# Altium PCB PCB1.PcbDoc (part 2 of 2)
Units mil, origin at the board's own origin, x right, y up, seen from the top; angles counter-clockwise.
Board outline 6184.85 x 2780 mil, 2 copper layers (Top Layer, Bottom Layer); 128 components, 145 nets, 529 pads, 99 vias.
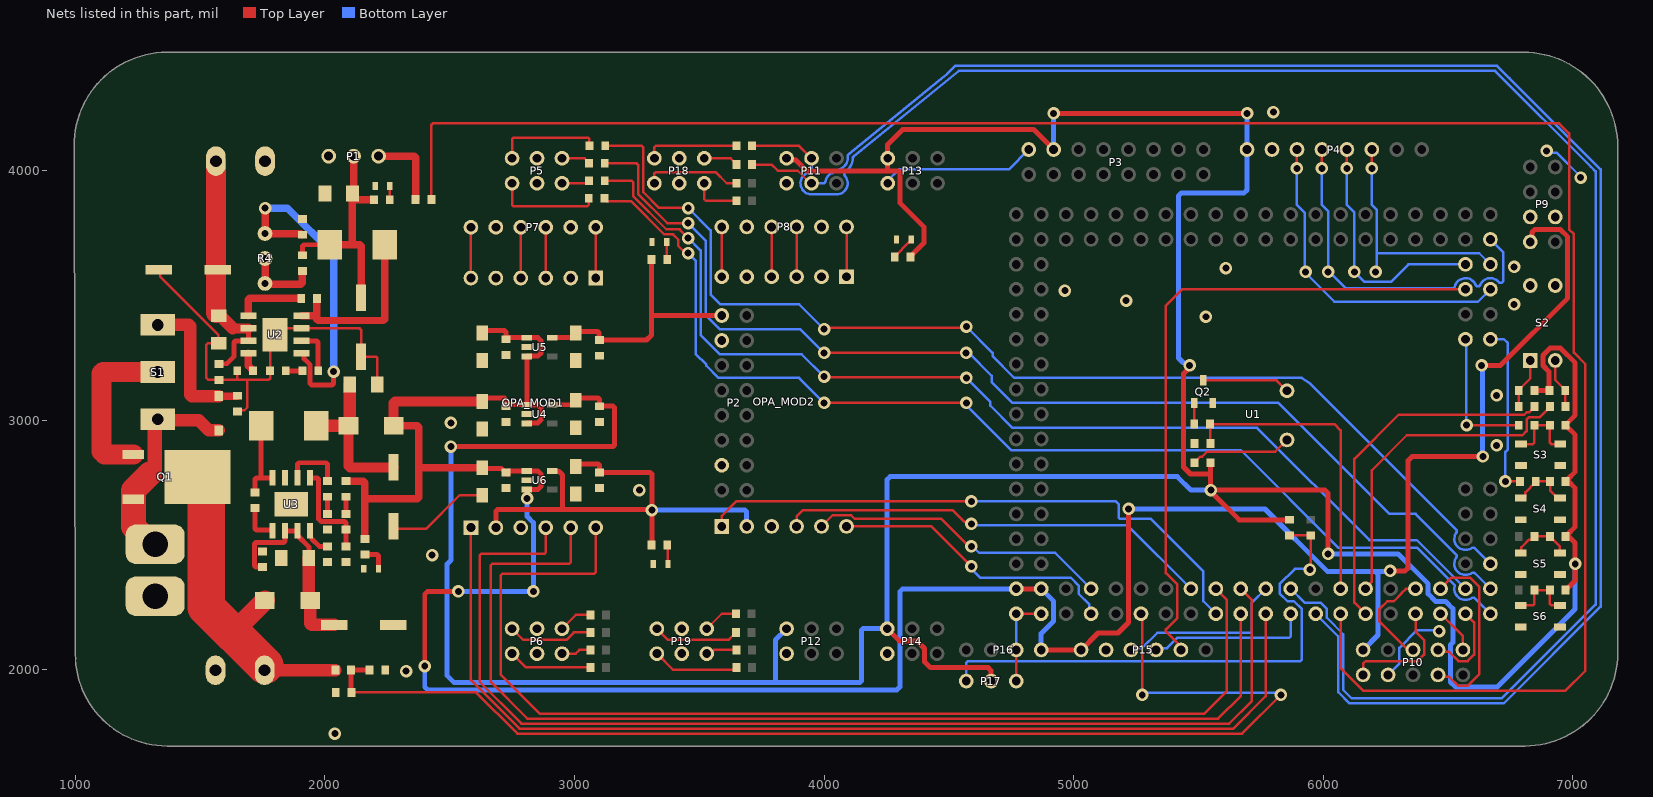
[diagram p2: the nets of this part, all layers, seen from the top]

## Via types
v1: diameter 50, hole 28, Top Layer to Bottom Layer, 99 vias

## Nets (pads, with @x,y where several pads share a name; then routed paths per layer and width w, separated by ;. In a path a pad name is that pad's centre, name@x,y a point inside that pad or via, vN(x,y) a via of type N, cw(c..) or ccw(c..) an arc to the next point about the centre after c; other vN are vias at no path point) (continued)
20.6: R42.2 U1.49 | length 555
  Top Layer w10: v1(6575,2980.91) 6782.6,2980.91 R42.2@6783.5,2980
  Bottom Layer w10: U1.49@6570,3325 6572.5,3322.5 6572.5,2983.41 v1(6575,2980.91)
20.7: R43.2 U1.50 | length 693.4
  Top Layer w10: v1(6730,2755) R43.2@6788.5,2755
  Bottom Layer w10: U1.50@6670,3325 6724.14,3325 6740,3309.14 6740,2883.43 6730,2873.43 v1(6730,2755)
20.10: P15.5 U1.53 | length 2668.7
  Top Layer w10: P15.5@5430,2080 5430,2093.27 5370,2153.27 5370,2162.03 5414.53,2206.56 5414.53,2343.44 5370,2387.97 5370,3460 5435,3525 U1.53@6570,3525
20.11: P4.3 U1.54 | length 1317.8
  Top Layer w10: v1(5895,4010) P4.3@5895,4085
  Bottom Layer w10: v1(5895,4010) 5895,3862.97 5925.47,3832.5 5925.47,3599.53 v1(5930,3595) 5930,3590 6045,3475 6620,3475 U1.54@6670,3525
20.12: P4.5 U1.55 | length 993
  Top Layer w10: v1(6095,4010) P4.5@6095,4085
  Bottom Layer w10: v1(6095,4010) 6095,3862.97 6125,3832.97 v1(6125,3595) 6165,3555 6271.17,3555 6341.17,3625 U1.55@6570,3625
20.13: P4.6 U1.56 | length 973.8
  Top Layer w10: v1(6195,4010) P4.6@6195,4085
  Bottom Layer w10: v1(6195,4010) 6195,3862.97 6215,3842.97 6215,3669.53 ; v1(6210,3595) 6215,3600 6215,3669.53 ; U1.56@6670,3625 6625.47,3669.53 6215,3669.53
20.14: P4.4 U1.57 | length 1470.9
  Top Layer w10: v1(5995,4010) P4.4@5995,4085
  Bottom Layer w10: v1(5995,4010) 5995,3862.97 6020,3837.97 v1(6020,3595) 6025,3595 6090,3530 6521.72,3530 6524.65,3532.93 6526.58,3534.86 cw(c6570,3525) 6610.83,3542.76 ccw(c6620,3546.75) 6629.15,3542.73 cw(c6670,3525) 6703.67,3554.14 6703.91,3553.9 6706.84,3550.97 6710.98,3550.97 6715.13,3550.97 6718.05,3553.9 6720.98,3556.82 6720.98,3674.02 U1.57@6670,3725
21.2: R19.1 U1.38 | length 4365.8
  Top Layer w10: R19.1@3121.5,3960 3229.14,3960 3235,3954.14 3235,3898.43 3367.68,3765.75 3394.85,3765.75 3395.6,3765 3421.06,3765 v1(3455.7,3730.35) ; v1(4000,3175) 4002.5,3172.5 4567.5,3172.5 v1(4570,3170)
  Bottom Layer w10: v1(3455.7,3730.35) 3505.47,3680.58 3505.47,3341.56 3582.5,3264.53 3910.47,3264.53 v1(4000,3175) ; v1(4570,3170) 4666.56,3073.44 4666.56,3058.44 4755.47,2969.53 5735.47,2969.53 6185,2520 6375,2520 U1.38@6570,2325
21.3: R20.2 U1.39 | length 4505.9
  Top Layer w10: R20.2@3120,3890 3120,3888.03 3130.75,3877.28 3227.86,3877.28 3359.4,3745.75 3386.57,3745.75 3387.32,3745 3395,3745 3415.7,3724.3 3415.7,3699.3 3445,3670 v1(3455,3670) ; v1(4000,3070) v1(4570,3070)
  Bottom Layer w10: v1(3455,3670) 3485,3640 3485,3266.17 3528.28,3222.89 3528.28,3218.75 3577.03,3170 3900,3170 v1(4000,3070) ; v1(4570,3070) 4570,3060 4749.53,2880.47 5669.53,2880.47 6060,2490 6376.72,2490 6526.59,2340.13 6526.59,2335.98 6526.59,2334.91 ccw(c6570,2325) 6597.56,2290.03 6600.83,2290.03 6604.97,2290.03 6624.56,2270.44 U1.39@6670,2225
21.4: R21.1 U1.40 | length 4558
  Top Layer w10: R21.1@3121.5,4030 3122.28,4029.22 3249.14,4029.22 3255,4023.36 3255,3906.72 3371.72,3790 3454.65,3790 v1(3455,3790.35) ; v1(4000,3270) v1(4569.18,3270)
  Bottom Layer w10: v1(3455,3790.35) 3525.47,3719.87 3525.47,3421.56 3582.5,3364.53 3905.47,3364.53 v1(4000,3270) ; v1(4569.18,3270) 4580,3270 4671.56,3178.44 4671.56,3153.44 4755.47,3069.53 5820.47,3069.53 6265,2625 6370,2625 6532.1,2462.9 6535.03,2459.97 6535.03,2455.83 6535.03,2452.56 ccw(c6570,2425) 6597.56,2390.03 6600.83,2390.03 6604.97,2390.03 6607.9,2387.1 U1.40@6670,2325
21.5: R22.2 U1.41 | length 4554.5
  Top Layer w10: R22.2@3122.99,4100 3268.83,4100 3275.47,4093.36 3275.47,3914.53 3339.22,3850.78 3455.38,3850.78 v1(3455.82,3850.34) ; v1(4000,3365) 4005,3370 4565,3370 v1(4570,3375)
  Bottom Layer w10: v1(3455.82,3850.34) 3545.47,3760.69 3545.47,3504.53 3585.47,3464.53 3900.47,3464.53 v1(4000,3365) ; v1(4570,3375) 4675.05,3269.95 4675.05,3256.98 4762.03,3170 5911.53,3170 5914.58,3170 5946.36,3148.64 5947.05,3147.95 6532.1,2562.9 6535.03,2559.97 6535.03,2555.83 6535.03,2552.56 ccw(c6570,2525) 6597.56,2490.03 6600.83,2490.03 6604.97,2490.03 6607.9,2487.1 U1.41@6670,2425
22.0: P10.5 U1.34 | length 409.7
  Top Layer w10: P10.5@6360,2080 6350.61,2089.39 6330.61,2089.39 6225.47,2194.53 6225.47,2243.44 6257.03,2275 6282.97,2275 6314.53,2306.56 6314.53,2307.5 6331.33,2324.3 6369.3,2324.3 U1.34@6370,2325
22.1: P10.1 U1.35 | length 182.3
  Top Layer w10: U1.35@6470,2225 6560,2135 P10.1@6560,2080
22.2: P10.4 U1.36 | length 741.9
  Top Layer w10: P10.4@6460,1980 6467.5,1972.5 6504.53,1972.5 6541.56,1935.47 6578.44,1935.47 6624.53,1981.56 6624.53,2333.44 6588.44,2369.53 6514.53,2369.53 U1.36@6470,2325
22.3: P10.3 U1.37 | length 351.5
  Top Layer w10: P10.3@6460,2080 6467.5,2072.5 6504.53,2072.5 6541.56,2035.47 6578.44,2035.47 6604.53,2061.56 6604.53,2190.47 U1.37@6570,2225
23.1: P10.10 U1.33 | length 482.4
  Top Layer w10: P10.10@6160,1980 6160,2025 6170.47,2035.47 6378.44,2035.47 6404.53,2061.56 6404.53,2119.38 6370,2153.9 U1.33@6370,2225
33.4: P15.3 U1.22 | length 709.3
  Bottom Layer w10: P15.3@5230,2080 5237.5,2087.5 5274.53,2087.5 5335,2147.97 5708.67,2147.97 5714.53,2153.83 5714.53,2269.53 U1.22@5770,2325
33.5: P15.4 U1.23 | length 653.5
  Bottom Layer w10: P15.4@5330,2080 5337.5,2087.5 5374.53,2087.5 5415,2127.97 5864.14,2127.97 5870,2133.83 U1.23@5870,2225
33.6: P11.3 R46.1 U1.24 | length 7452.1
  Top Layer w10: R46.1@3711.5,4100 3900,4100 P11.3@3950,4050
  Bottom Layer w10: P11.3@3950,4050 3950,4000.39 3948.14,3997.79 cw(c3940,4003.6) 3941.89,3993.78 ccw(c3950,3950) 3911.59,3972.53 ccw(c3950,3950) 3950,3905.47 4034.39,3905.47 ccw(c4034.39,3915.47) 4035.34,3905.52 4040.84,3906.05 cw(c4041.8,3896.09) 4043.24,3905.99 ccw(c4050,3950) 4083.96,3978.8 cw(c4091.53,3985.34) 4081.53,3985.36 ccw(c3977.43,3986.62) 4081.52,3988 cw(c4091.52,3988.11) 4085.92,3996.4 ccw(c4050,4050) 4114.51,4051.55 4114.51,4052.47 4117.79,4055.76 4117.84,4055.8 4118.5,4056.34 4539.38,4400 6688.65,4400 7072.61,4016.04 7091.62,3997.03 7091.62,2261.77 6715.33,1885.47 6114.53,1885.47 6080.47,1919.53 6080.47,2142.81 6014.53,2208.76 6014.53,2243.44 5988.44,2269.53 5925.47,2269.53 U1.24@5870,2325
33.7: P11.4 R47.2 U1.25 | length 7129.6
  Top Layer w10: R47.2@3711.5,4025 3790,4025 3815,4000 3894.6,4000 3944.6,3950 P11.4@3950,3950
  Bottom Layer w10: P11.4@3950,3950 4000.54,3950 4003.47,3952.93 4005.78,3955.24 cw(c4050,3950) 4030.87,3990.21 ccw(c4026.52,3999.21) 4031.86,3990.76 cw(c4057.95,3949.96) 4044.65,3996.53 4045.56,3997.02 4071.14,4010.81 ccw(c4050,4050) 4094.51,4051.29 4094.51,4051.55 4094.51,4060.76 4104.37,4070.62 4104.48,4070.71 4110.66,4076.11 4471.02,4370 4493.7,4388.52 4494.44,4389.19 4525.25,4420 6696.94,4420 6746.95,4369.98 7111.62,4005.32 7111.62,2253.48 6723.61,1865.47 6106.24,1865.47 6060.47,1911.24 6060.47,2134.53 U1.25@5970,2225
33.9: R8.1 U1.27 | length 8326.6
  Top Layer w10: R8.1@2426.5,3885 2426.5,4184.14 2432.35,4190 6944.93,4190 6985,4149.93 6985,3765.4 7004.53,3745.87 7004.53,3270.96 7050,3225.49 7050,1996.33 6969.14,1915.47 6161.56,1915.47 6070,2007.03 U1.27@6070,2225
33.10: R30.1 R31.1 U1.28 | length 1247.6
  Top Layer w10: R31.1@5547.84,2906.81 5546.5,2908.15 R30.1@5546.5,2985 6045,2985 6070,2960 U1.28@6070,2325
33.11: R40.2 U1.29 | length 1447.9
  Top Layer w10: U1.29@6170,2225 6125.47,2269.53 6125.47,2845.47 6302.28,3022.28 6805.82,3022.28 6816.25,3032.72 6826.18,3032.72 6846.5,3053.03 R40.2@6846.5,3055
33.12: R41.2 U1.30 | length 1332.8
  Top Layer w10: U1.30@6170,2325 6170,2329.69 6195,2354.69 6195,2800 6335,2940 6798.18,2940 6815,2956.82 6815,3003.18 6824.53,3012.72 6868.19,3012.72 6908.5,3053.03 R41.2@6908.5,3055
A0: OPA_MOD1.7 U1.21 | length 4260.1
  Top Layer w10: OPA_MOD1.7@2585,2570 2585,1959.14 2779.14,1765 5640,1765 5770,1895 U1.21@5770,2225
A1: OPA_MOD1.10 U1.20 | length 4544.8
  Top Layer w10: OPA_MOD1.10@2885,2570 2885,2470.86 2879.14,2465 2625.86,2465 2620,2459.14 2620,1952.43 2787.43,1785 5623.67,1785 5714.53,1875.86 5714.53,2280.47 U1.20@5670,2325
A2: OPA_MOD1.11 U1.19 | length 4364.5
  Top Layer w10: OPA_MOD1.11@2985,2570 2985,2430.86 2979.14,2425 2670.86,2425 2665,2419.14 2665,1950.86 2810.86,1805 5579.14,1805 5670,1895.86 U1.19@5670,2225
A3: OPA_MOD1.12 U1.18 | length 4401.4
  Top Layer w10: OPA_MOD1.12@3085,2570 3085,2390.86 3079.14,2385 2711.33,2385 2705.47,2379.14 2705.47,1979.53 2860,1825 5523.67,1825 5614.53,1915.86 5614.53,2280.47 U1.18@5570,2325
A4: OPA_MOD2.7 U1.17 | length 2334.1
  Top Layer w10: OPA_MOD2.7@3590,2575 3590,2617.22 3647.78,2675 v1(4590,2675)
  Bottom Layer w10: v1(4590,2675) 5169.14,2675 5180,2664.14 5180,2610.86 5185.91,2604.95 5310.05,2604.95 5520,2395 5520,2275 U1.17@5570,2225
A5: OPA_MOD2.10 U1.16 | length 1760.8
  Top Layer w10: OPA_MOD2.10@3890,2575 3890,2615 3915,2640 4515,2640 4562.35,2592.65 4582.35,2592.65 v1(4590,2585)
  Bottom Layer w10: v1(4590,2585) 4594.53,2580.47 5214.53,2580.47 U1.16@5470,2325
A11: C27.1 R27.2 R28.1 U1.11 | length 4906.3
  Top Layer w10: R28.1@2106.5,1910 2605.86,1910 2770.86,1745 5675,1745 v1(5830,1900) ; U1.11@5270,2225 5274.53,2220.47 5274.53,1900.47 v1(5275,1900)
  Top Layer w20: R28.1@2105,1911.5 R27.2@2105,2000 C27.1@2178.5,2000
  Bottom Layer w10: v1(5275,1900) 5282.5,1907.5 5822.5,1907.5 v1(5830,1900)
A16: OPA_MOD2.11 U1.8 | length 1220.4
  Top Layer w10: OPA_MOD2.11@3990,2575 4034.53,2619.53 4108.44,2619.53 4122.97,2605 4470,2605 4580,2495 v1(4590,2495)
  Bottom Layer w10: v1(4590,2495) 4595.62,2495 4621.1,2469.53 4925.47,2469.53 U1.8@5070,2325
A17: OPA_MOD2.12 U1.7 | length 1167.7
  Top Layer w10: OPA_MOD2.12@4090,2575 4430,2575 v1(4590,2415)
  Bottom Layer w10: v1(4590,2415) 4590,2405 4625,2370 4985,2370 4985.47,2369.53 4988.44,2369.53 5020,2337.97 5020,2305 5063.51,2261.49 5063.51,2231.49 U1.7@5070,2225
GND: C1.2 C2.1 C3.1 C5.2 C6.2 C7.1 C8.2 C9.1 C10.2 C12.1 C13.2 C14.1 C15.2 C16.1 C17.2 C18.1 C19.2 C20.1 C21.2 C22.1 C23.2 C24.1 C25.2 C26.1 C27.2 DCIN.2 DCOUT1.2 DCOUT2.2 LED3V3.C LED5V.C LEDCAM.C LEDOP.C LEDSteer.C OPA_MOD1.2 OPA_MOD1.5 OPA_MOD1.9 OPA_MOD2.2 OPA_MOD2.5 OPA_MOD2.9 P1.3 P2.4 P2.14 P3.2 P4.2 P5.3 P5.4 P6.3 P6.4 P7.2 P7.5 P8.2 P8.5 P9.5 P9.6 P10.8 P11.6 P12.6 P13.6 P14.6 P15.2 P16.2 P17.1 P18.3 P18.4 P19.3 P19.4 Q2.2 R1.1 R2.1 R5.2 R9.1 R12.1 R28.2 R31.2 S2.3 S2.4 S3.1 S4.1 S5.1 S6.1 U1.1 U1.3 U2.0 U2.7 U3.0 U3.7 U4.2 U5.2 U6.2 | length 3769.1
  Top Layer w10: C1.2@1333.78,3603.5 1340.76,3596.52 1340.76,3574.68 1572.2,3343.24 1572.2,3311.3 C2.1@1575,3308.5 1530.86,3308.5 1525,3302.65 1525,3170 1532.99,3162.01 C3.1@1575,3162.01 ; C3.1@1575.36,3161.65 1648.5,3161.65 ; R2.1@1648.5,3198.5 1648.5,3161.65 ; R1.1@1650,3035.51 1654.57,3040.08 1676.86,3040.08 1689.14,3052.36 1689.14,3161.65 ; C12.1@2210.12,3143.5 2210.12,3249.54 2204.26,3255.39 C6.2@2145,3255.39 2145,3362.65 2139.14,3368.5 1825,3368.5 U2.0@1800,3343.5 1780,3323.5 1780,3167.5 1774.14,3161.65 1689.14,3161.65 ; C13.2@2275,2575.39 2285.39,2565 2405,2565 2539.88,2699.88 C23.2@2630,2699.88 ; P17.1@4770,1955 P16.2@4770,2080 ; U1.1@4770,2225 U1.3@4870,2225 ; 1648.5,3161.65 1689.14,3161.65
  Bottom Layer w10: P13.6@4255,3950 4255,3960 4300.47,4005.47 4740.47,4005.47 P3.2@4820,4085 ; P16.2@4770,2080 U1.1@4770,2225 ; P10.8@6260,1980 6305.47,2025.47 6305.47,2088.44 6376.28,2159.25 6460.75,2159.25 v1(6465,2155) ; v1(6895,4080) 6902.03,4072.97 6935,4072.97 7030,3977.97 7030,3973.8 v1(7031.62,3972.18)
  other v1: 2040,1745 2325,1995 2430,2460 3260,2720 6695,2900 2505,2990 6695,3100 5530,3415 6765,3465 5210,3480 4965,3520 5610,3610 6765,3615 5800,4235
NetB1_1: B1.1 R29.2 | length 409.1
  Top Layer w10: R29.2@5485,2830 5485,2831.97 5507.12,2854.09 5515.09,2854.09 5535.09,2874.09 5807.52,2874.09 B1.1@5855,2921.57
NetB1_2: B1.2 Q2.3 | length 352.3
  Top Layer w10: Q2.3@5520,3160.28 5813.15,3160.28 B1.2@5855,3118.43
NetC4_1: C4.1 U2.1 | length 277.9
  Top Layer w30: U2.1@1693.7,3418.5 1693.7,3482.65 1699.56,3488.5 C4.1@1905,3488.5
NetC4_2: C4.2 L2.1 U2.8 | length 719.7
  Top Layer w10: 1966.5,3418.5 1967.99,3420
  Top Layer w30: U2.8@1906.3,3418.5 1966.5,3418.5 ; C4.2@1967.99,3488.5 1967.99,3420 1967.99,3405.86 1973.85,3400 2234.38,3400 2240.24,3405.86 L2.1@2240.24,3703.5
NetC7_2: C7.2 R7.1 | length 67
  Top Layer w20: C7.2@1842.99,3198.5 R7.1@1910,3198.5
NetC8_1: C8.1 C9.2 C10.1 D2.K U3.2 U3.3 | length 831.4
  Top Layer w10: U3.3@1890,2538.5 U3.3@1890,2557.2
  Top Layer w20: C10.1@1750,2412.01 1723.14,2412.01 1717.28,2417.87 1717.28,2504.85 1723.14,2510.71 1834.14,2510.71 1840,2516.57 U3.2@1840,2557.2 U3.3@1890,2557.2 ; U3.3@1890,2538.5 1935.24,2493.27 C9.2@1935.24,2448.5
  Top Layer w50: C9.2@1935.24,2448.5 1935.24,2283.82 D2.K@1940.55,2278.5 1940.55,2185.86 1946.41,2180 C8.1@2036.89,2180
NetC11_1: C11.1 U3.1 | length 156.2
  Top Layer w10: U3.1@1787.2,2560 U3.1@1790,2557.2
  Top Layer w20: C11.1@1720,2648.5 1720,2565.86 1725.86,2560 U3.1@1787.2,2560
NetC11_2: C11.2 L1.1 U3.8 | length 333.6
  Top Layer w20: C11.2@1720,2711.5 1720,2763.95 1725.86,2769.8 1744.76,2769.8 ; L1.1@1744.76,2978.5 1744.76,2769.8 ; U3.8@1790,2769.8 1744.76,2769.8
NetC12_2: C12.2 C13.1 D3.A L1.2 | length 640.5
  Top Layer w10: D3.A@2094.45,2978.5 D3.A@2099.88,2983.94
  Top Layer w40: D3.A@2094.45,2978.5 2094.45,2817.47 2100.31,2811.61 C13.1@2275,2811.61
  Top Layer w50: L1.2@1965.24,2978.5 D3.A@2094.45,2978.5 ; D3.A@2099.88,2983.94 C12.2@2099.88,3143.5
NetC14_2: C14.2 R14.1 | length 68.5
  Top Layer w20: C14.2@2010,2625 R14.1@2010,2693.5
NetD1_A: D1.A R1.2 S1.3 | length 598.7
  Top Layer w10: R1.2@1648.9,3097.4 R1.2@1650,3098.5
  Top Layer w30: D1.A@1575,3097.4 R1.2@1648.9,3097.4
  Top Layer w50: S1.3@1330,3382.48 1454.14,3382.48 1460,3376.62 1460,3103.26 1465.86,3097.4 D1.A@1575,3097.4
NetD1_K: D1.K DCIN.1 Q1.3 S1.1 | length 851.4
  Top Layer w10: DCIN.1@1303.25,2503.5 DCIN.1@1320,2503.5 ; S1.1@1330,3004.53 S1.1@1334.53,3000
  Top Layer w50: S1.1@1334.53,3000 1495,3000 1535.39,2959.61 D1.K@1575,2959.61
  Top Layer w60: 1298.11,2784.57 1318.11,2804.57 1318.11,2992.64 S1.1@1330,3004.53
  Top Layer w100: 1298.11,2784.57 1232.13,2718.58 1232.13,2574.63 DCIN.1@1303.25,2503.5
NetLED3V3_A: LED3V3.A R16.2 | length 99.1
  Top Layer w10: R16.2@4283.5,3655 4283.5,3656.97 4340.79,3714.25 4343.7,3714.25 4349.53,3720.08 LED3V3.A@4349.53,3725
NetLED5V_A: LED5V.A R13.1 | length 108.1
  Top Layer w20: R13.1@2160,2462.01 2208.67,2462.01 2214.53,2456.15 LED5V.A@2214.53,2405
NetLEDCAM_A: LEDCAM.A R17.2 | length 70.8
  Top Layer w10: LEDCAM.A@3369.53,3715 3369.53,3646.97 R17.2@3371.5,3645
NetLEDOP_A: LEDOP.A R18.2 | length 76.3
  Top Layer w10: R18.2@3371.5,2500 3374.53,2496.97 LEDOP.A@3374.53,2425
NetLEDSteer_A: LEDSteer.A R6.1 | length 55
  Top Layer w10: R6.1@2260,3883.5 LEDSteer.A@2260,3938.5
NetOPA_MOD1_1: OPA_MOD1.1 P7.6 | length 203.5
  Top Layer w10: OPA_MOD1.1@3085,3570 P7.6@3085,3773.5
NetOPA_MOD1_3: OPA_MOD1.3 P7.4 | length 203.5
  Top Layer w10: OPA_MOD1.3@2885,3570 P7.4@2885,3773.5
NetOPA_MOD1_4: OPA_MOD1.4 P7.3 | length 203.5
  Top Layer w10: OPA_MOD1.4@2785,3570 P7.3@2785,3773.5
NetOPA_MOD1_6: OPA_MOD1.6 P7.1 | length 203.5
  Top Layer w10: OPA_MOD1.6@2585,3570 P7.1@2585,3773.5
NetOPA_MOD2_1: OPA_MOD2.1 P8.6 | length 200
  Top Layer w10: OPA_MOD2.1@4090,3575 P8.6@4090,3775
NetOPA_MOD2_3: OPA_MOD2.3 P8.4 | length 200
  Top Layer w10: OPA_MOD2.3@3890,3575 P8.4@3890,3775
NetOPA_MOD2_4: OPA_MOD2.4 P8.3 | length 200
  Top Layer w10: OPA_MOD2.4@3790,3575 P8.3@3790,3775
NetOPA_MOD2_6: OPA_MOD2.6 P8.1 | length 200
  Top Layer w10: OPA_MOD2.6@3590,3575 P8.1@3590,3775
NetP1_1: P1.1 R8.2 | length 318.6
  Top Layer w30: P1.1@2215,4058.5 2357.65,4058.5 2363.5,4052.65 R8.2@2363.5,3885
NetP5_1: P5.1 R21.2 | length 117.9
  Top Layer w10: P5.1@2950,4050 3040.47,4050 3058.5,4031.97 R21.2@3058.5,4030
NetP5_2: P5.2 R19.2 | length 112.6
  Top Layer w10: P5.2@2950,3950 3048.5,3950 R19.2@3058.5,3960
NetP5_5: P5.5 R22.1 | length 418.6
  Top Layer w10: P5.5@2750,4050 2750,4126.86 2755.86,4132.72 3054.14,4132.72 3060,4126.86 R22.1@3060,4100
NetP5_6: P5.6 R20.1 | length 425.6
  Top Layer w10: P5.6@2750,3950 2750,3863.14 2755.86,3857.28 3051.15,3857.28 3057.01,3863.14 R20.1@3057.01,3890
NetP6_1: P6.1 R25.2 | length 136.3
  Top Layer w10: P6.1@2950,2165 3005,2220 R25.2@3063.5,2220
NetP6_2: P6.2 R23.2 | length 119.7
  Top Layer w10: P6.2@2950,2065 3005,2065 3020,2080 R23.2@3063.5,2080
NetP6_5: P6.5 R26.1 | length 344.2
  Top Layer w10: P6.5@2750,2165 2794.53,2120.47 2968.44,2120.47 2997.97,2150 R26.1@3063.5,2150
NetP6_6: P6.6 R24.1 | length 336.3
  Top Layer w10: P6.6@2750,2065 2805,2010 R24.1@3063.5,2010
NetP17_3: P17.3 R32.1 R33.2 | length 2149.7
  Top Layer w10: R32.1@5865,2538.5 R33.2@5950,2538.5 5950,2405 v1(5946.46,2401.46)
  Bottom Layer w10: P17.3@4570,1955 4570,2029.14 4575.86,2035 5908.67,2035 5914.53,2040.86 5914.53,2243.44 5882.97,2275 5857.03,2275 5825.47,2306.56 5825.47,2343.44 5887.03,2405 5942.93,2405 v1(5946.46,2401.46)
NetP18_1: P18.1 R48.2 | length 388.7
  Top Layer w10: P18.1@3320,3950 3320,3989.14 3325.86,3995 3565,3995 3610,3950 R48.2@3648.5,3950
NetP18_2: P18.2 R46.2 | length 375.1
  Top Layer w10: P18.2@3320,4050 3320,4094.14 3325.86,4100 R46.2@3648.5,4100
NetP18_5: P18.5 R49.1 | length 195.1
  Top Layer w10: P18.5@3520,3950 3520,3885.86 3525.86,3880 R49.1@3648.5,3880
NetP18_6: P18.6 R47.1 | length 140
  Top Layer w10: P18.6@3520,4050 3625.47,4050 3648.5,4026.97 R47.1@3648.5,4025
NetP19_1: P19.1 R52.2 | length 349.2
  Top Layer w10: P19.1@3330,2065 3394.53,2000.47 3638.98,2000.47 R52.2@3648.5,2010
NetP19_2: P19.2 R50.2 | length 348.8
  Top Layer w10: P19.2@3330,2165 3374.53,2120.47 3617.48,2120.47 3634.29,2137.28 3636.26,2137.28 3647.01,2148.03 R50.2@3647.01,2150
NetP19_5: P19.5 R53.1 | length 124.7
  Top Layer w10: P19.5@3530,2065 3543.27,2065 3558.27,2080 R53.1@3648.5,2080
NetP19_6: P19.6 R51.1 | length 141.9
  Top Layer w10: P19.6@3530,2165 3590,2225 R51.1@3647.01,2225
NetQ1_2: Q1.2 S1.2 | length 672.1
  Top Layer w80: Q1.2@1232.13,2863.27 1116.73,2863.27 1105,2875 1105,3187.65 1110.86,3193.5 S1.2@1330,3193.5
NetQ2_1: Q2.1 R30.2 | length 85.1
  Top Layer w10: Q2.1@5482.6,3069.72 5482.6,2985.91 R30.2@5483.5,2985
NetR2_2: R2.2 U2.4 | length 77.4
  Top Layer w10: R2.2@1711.5,3198.5 R2.2@1711.5,3200.47
  Top Layer w30: U2.4@1693.7,3268.5 1693.7,3218.27 R2.2@1711.5,3200.47
NetR3_1: R3.1 R4.2 R4.ADJ | length 301.5
  Top Layer w10: R4.2@1760,3548.5 R4.2@1763.5,3545 ; 1904.14,3545 1910,3550.86
  Top Layer w30: R4.2@1760,3548.5 R4.ADJ@1760,3648.5 ; R4.2@1763.5,3545 1904.14,3545 ; 1910,3550.86 R3.1@1910,3598.5
NetR4_1: R4.1 R5.1 U2.5 | length 1359.4
  Top Layer w10: U2.5@1906.3,3268.5 1908.82,3268.5 U2.5@1916.62,3260.71
  Top Layer w20: U2.5@1916.62,3260.71 1916.62,3246.57 1940.75,3222.43 1940.75,3147.07 1946.61,3141.21 2029.14,3141.21 2035,3147.07 v1(2035,3195)
  Top Layer w30: v1(1760,3850) R4.1@1760,3748.5 1903.03,3748.5 1908.03,3743.5 R5.1@1910,3743.5
  Bottom Layer w30: v1(1760,3850) 1850,3850 2035,3665 v1(2035,3195)
NetR7_2: R7.2 U2.6 | length 183.3
  Top Layer w20: U2.6@1906.3,3318.5 1967.13,3318.5 1972.99,3312.65 R7.2@1972.99,3198.5
NetR9_2: R9.2 U3.4 | length 110.4
  Top Layer w10: U3.4@1940,2557.2 1947.8,2549.41 1947.8,2524.49
  Top Layer w20: 1947.8,2524.49 1977.28,2495 R9.2@2010,2495
NetR10_1: R10.1 R11.2 | length 68.5
  Top Layer w20: R11.2@2085,2625 R10.1@2085,2693.5
NetR11_1: R11.1 R12.2 U3.5 | length 406.5
  Top Layer w20: U3.5@1940,2769.8 1969.14,2769.8 1975,2763.95 1975,2605.32 1986.07,2594.25 2079.14,2594.25 2085,2588.39 R11.1@2085,2562.01 R12.2@2085,2495
NetR14_2: R14.2 U3.6 | length 246.8
  Top Layer w20: U3.6@1890,2769.8 1890,2824.14 1895.86,2830 2004.14,2830 2010,2824.14 R14.2@2010,2756.5
NetR34_2: R34.2 R40.1 S2.1 | length 204.3
  Top Layer w10: R40.1@6783.5,3055 R34.2@6783.5,3120 6783.5,3121.97 6830,3168.46 S2.1@6830,3240
NetR35_2: R35.2 R41.1 S2.2 | length 202.2
  Top Layer w10: S2.2@6930,3240 6930,3161.97 6970,3121.97 R35.2@6970,3120 6970,3056.5 R41.1@6971.5,3055
NetR36_2: R36.2 R42.1 S3.2 | length 300.6
  Top Layer w10: S3.2@6792.52,2905 6840.64,2905 6846.5,2910.86 R42.1@6846.5,2980 R36.2@6908.5,2980 6908.5,2910.86 6914.36,2905 S3.2@6950,2905
NetR37_2: R37.2 R43.1 S4.2 | length 243.5
  Top Layer w10: S4.2@6791.26,2688.31 6801.1,2688.31 6809.88,2697.09 6809.88,2711.42 6851.5,2753.03 R43.1@6851.5,2755 R37.2@6908.5,2755 6908.91,2754.6 6908.91,2718.3 6938.9,2688.31 S4.2@6948.74,2688.31
NetR38_2: R38.2 R44.1 S5.2 | length 242
  Top Layer w10: S5.2@6791.26,2468.31 6794.41,2471.46 6794.41,2491.23 6825.47,2522.28 6835.75,2522.28 6846.5,2533.03 R44.1@6846.5,2535 R38.2@6908.5,2535 6908.5,2533.03 6919.25,2522.28 6921.04,2522.28 6948.74,2494.58 S5.2@6948.74,2468.31
NetR39_2: R39.2 R45.1 S6.2 | length 274
  Top Layer w10: S6.2@6791.26,2258.31 6840.64,2258.31 6846.5,2264.16 R45.1@6846.5,2320 R39.2@6908.5,2320 6908.5,2264.16 6914.36,2258.31 S6.2@6948.74,2258.31
VCC3V3: C17.1 C18.2 P3.4 P4.1 P11.5 P12.5 P13.5 P14.5 P17.2 R16.1 R29.1 R32.2 R34.1 R35.1 R36.1 R37.1 R38.1 R39.1 U4.5 | length 15483.7
  Top Layer w10: P11.5@3850,4050 P11.5@3857.5,4042.5 ; R16.1@4346.5,3655 R16.1@4346.5,3656.97 ; v1@5465,3209.18 v1(5465,3220) ; R35.1@6907.01,3118.03 R35.1@6907.01,3120
  Top Layer w20: v1(2505,2895) 3154.14,2895 3160,2900.86 3160,3050.64 3154.14,3056.5 C18.2@3100,3056.5 3100,3084.14 3094.14,3090 3014.88,3090 C17.1@3005,3080.12 2987.28,3062.4 U4.5@2911.18,3062.4 ; P11.5@3857.53,4042.53 3881.22,4042.53 ; 3881.24,4042.5 3887.46,4042.5 3929.49,4000.47 ; 3929.53,4000.47 3930,4000 4255,4000 ; P14.5@4253.03,2165 4303.03,2115 4373.07,2115 4402.56,2085.51 4402.56,2032.44 4425.66,2009.34 4656.72,2009.34 4668.44,1997.62 4668.44,1956.56 P17.2@4670,1955 ; R16.1@4346.5,3656.97 4400,3710.47 4400,3775 4305,3870 4305,3994.14 4299.14,4000 4255,4000 ; P3.4@4920,4085 4840,4165 4315,4165 4255,4105 P13.5@4255,4050 4255,4000 ; v1(4920,4230) v1(5695,4230) ; v1@5465,3209.18 5462.29,3209.18 5440,3186.88 5440,2813.25 5468.25,2785 5547.99,2785 ; v1@5547.99,2717.01 5663.5,2601.5 R32.2@5865,2601.5 ; v1@5547.99,2720 5547.99,2785 ; R29.1@5547.99,2830 5547.99,2785 ; v1(5550,2720) 6008.28,2720 6020,2708.28 v1(6020,2465) ; R34.1@6846.5,3120 R35.1@6905.04,3120 ; R35.1@6907.01,3118.03 R35.1@6905.04,3120 ; R35.1@6907.01,3120 R35.1@6905.04,3120 ; R39.1@6971.5,2320 6971.5,2321.97 6977.24,2327.72 6979.21,2327.72 7010,2358.5 v1(7010,2425) 7010,2508.3 6991.02,2527.28 6990.93,2527.28 6979.21,2539 6979.21,2542.72 7010,2573.5 7010,2728.3 6983.3,2755 R37.1@6971.5,2755 ; R37.1@6971.5,2756.97 6977.24,2762.72 6979.21,2762.72 7010,2793.5 7010,2903.61 7009.38,2904.24 7009.38,2942.12 6979.21,2972.28 6977.24,2972.28 6971.5,2978.03 R36.1@6971.5,2980 6971.5,2981.97 7010,3020.47 7010,3230.04 6950.51,3289.53 6909.49,3289.53 6880.47,3260.51 6880.47,3219.49 6905,3194.96 6905,3120.04 R35.1@6905.04,3120
  Bottom Layer w20: v1(2505,2895) 2505,2439.3 2490,2424.3 2490,1976.72 2516.72,1950 3805,1950 ; P12.5@3850,2165 3805,2120 3805,1950 ; P3.4@4920,4085 v1(4920,4230) ; 5438.61,3231.39 5420.47,3249.53 5420.47,3899.51 5432.19,3911.22 5683.28,3911.22 5695,3922.94 P4.1@5695,4085 v1(5695,4230) ; v1(5550,2720) 5470,2720 5415.47,2774.53 4264.75,2774.53 4253.03,2762.81 P14.5@4253.03,2165 4155.86,2165 4150,2159.14 4150,1955.86 4144.14,1950 3805,1950 ; v1(6020,2465) 6300.04,2465 6420.47,2344.57 6420.47,2304.49 6449.96,2275 6490.04,2275 6519.53,2245.51 6519.53,2109.57 6510.47,2100.51 6510.47,1951.24 6531.24,1930.47 6696.69,1930.47 7010,2243.79 v1(7010,2425)
VCC5V: C15.1 C16.2 C19.1 C20.2 C23.1 C24.2 D3.K P9.7 P10.9 P15.1 P16.1 R10.2 R13.2 U1.2 U1.4 U4.1 U4.3 U5.1 U5.3 U6.1 U6.3 | length 11787
  Top Layer w10: 2375,2805 2380.12,2810.12 ; C23.1@2630,2810.12 C23.1@2644.88,2825 ; C15.1@2630,3075.12 C15.1@2644.88,3090 ; v1@5220,2644.71 v1(5220.24,2644.95)
  Top Layer w20: v1(2400,2015) 2400,2303.28 2411.72,2315 v1(2535,2315) ; C23.1@2630,2810.12 2632.71,2807.41 2707.12,2807.41 2717.28,2797.24 2719.25,2797.24 2730.75,2785.75 C24.2@2732.72,2785.75 ; C19.1@2630,3350 2640,3360 2719.14,3360 2725,3354.14 C20.2@2725,3325 2730.91,3330.91 2853.28,3330.91 2865,3319.19 2865,3268.59 2853.28,3256.88 U5.3@2809.6,3256.88 ; C15.1@2644.88,3090 2719.14,3090 2725,3084.14 C16.2@2725,3056.5 2730.91,3062.4 U4.1@2808.82,3062.4 ; C24.2@2725,2791.5 2730.75,2797.24 2744.27,2797.24 2744.43,2797.4 2853.28,2797.4 2865,2785.69 2865,2734.31 2853.28,2722.6 U6.3@2808.82,2722.6 2809.41,2722.01 2809.41,2687.57 v1(2810,2686.98) ; U4.3@2808.82,2987.6 2810.63,2989.41 2853.28,2989.41 2865,3001.13 2865,3048.87 2853.28,3060.59 2810.63,3060.59 U4.1@2808.82,3062.4 ; U5.3@2808.82,3256.1 U4.1@2808.82,3062.4 ; U1.2@4770,2325 U1.4@4870,2325 ; P16.1@4870,2080 P15.1@5030,2080 5097.97,2147.97 5177.97,2147.97 5220,2190 v1@5220,2644.71 ; v1(6268.14,2396.74) 6328.28,2396.74 6340,2408.46 6340,2838.28 6356.72,2855 v1(6640,2855) ; v1(6635,3220) 6710,3220 6979.53,3489.53 6979.53,3735.51 6950.52,3764.53 6848.09,3764.53 6836.37,3752.81 6836.37,3721.37 P9.7@6830,3715
  Top Layer w30: R10.2@2085,2756.5 2154.14,2756.5 2160,2750.64 2160,2685 ; R13.2@2160,2525 2160,2685 ; D3.K@2275.55,2978.5 2369.14,2978.5 2375,2972.65 2375,2805 2375,2690.86 2369.14,2685 2160,2685 ; 2380.12,2810.12 C23.1@2630,2810.12
  Top Layer w40: D3.K@2275.55,2978.5 2275.55,3069.26 2281.41,3075.12 C15.1@2630,3075.12
  Bottom Layer w20: v1(2400,2015) 2400,1931.72 2411.72,1920 4291.79,1920 4303.5,1931.72 4303.5,2313.28 4315.22,2325 U1.2@4770,2325 ; v1(2535,2315) v1(2835,2315) 2835,2590.04 2810,2615.04 v1(2810,2686.98) ; P16.1@4870,2080 4870,2146.1 4920,2196.1 4920,2275 U1.4@4870,2325 ; v1(5220.24,2644.95) 5766.62,2644.95 6016.57,2395 6207.21,2395 ; P10.9@6160,2080 6219.53,2139.53 6219.53,2382.68 6207.21,2395 ; v1(6268.14,2396.74) 6266.4,2395 6207.21,2395 ; v1(6635,3220) 6637.5,3217.5 6637.5,2857.5 v1(6640,2855)
VCCBAT: C1.1 C2.2 C3.2 D2.A DCOUT1.1 DCOUT2.1 Q1.1 R27.1 U2.2 U2.3 | length 2560.7
  Top Layer w10: Q1.1@1490,2773.5 Q1.1@1525,2738.5 ; C3.2@1575,3225 C3.2@1576.66,3226.66 ; C2.2@1575,3418.74 C2.2@1580.91,3418.74 ; DCOUT2.1@1758.43,1998.5 DCOUT2.1@1758.43,2018.19 ; R27.1@2040.51,1998.5 R27.1@2042.01,2000
  Top Layer w20: C3.2@1576.66,3226.66 1606.66,3226.66 1635,3255 1635,3312.65 1640.86,3318.5 U2.3@1693.7,3318.5 U2.2@1693.7,3368.5
  Top Layer w40: 1631.14,3368.5 U2.2@1693.7,3368.5
  Top Layer w50: C2.2@1580.91,3418.74 1631.14,3368.5 ; DCOUT2.1@1758.43,1998.5 R27.1@2040.51,1998.5
  Top Layer w70: C1.1@1563.15,3596.65 C1.1@1570,3603.5 C1.1@1563.15,3610.35
  Top Layer w80: C2.2@1563.15,3430.59 C1.1@1563.15,3596.65 ; C1.1@1563.15,3610.35 DCOUT1.1@1563.15,4038.5 ; DCOUT2.1@1758.43,1998.5 1618.94,2137.99 D2.A@1759.45,2278.5
  Top Layer w150: Q1.1@1525,2738.5 1525,2251.61 DCOUT2.1@1758.43,2018.19
VCCCAM: C21.1 C22.2 P2.16 R17.1 U5.5 | length 1027.5
  Top Layer w20: U5.5@2911.18,3330.91 2986.38,3330.91 C21.1@3002.34,3346.87 ; C21.1@3005,3350.12 3011.28,3356.4 3092.98,3356.4 3098.83,3350.54 C22.2@3098.83,3321.5 ; C22.2@3100,3321.5 3288.5,3321.5 3308.5,3341.5 3308.5,3420 ; R17.1@3308.5,3645 3308.5,3420 ; P2.16@3590,3420 3308.5,3420
VCCOP: C25.1 C26.2 OPA_MOD1.8 OPA_MOD2.8 R18.1 U6.5 | length 1952.4
  Top Layer w10: C25.1@3005,2815.12 C25.1@3014.88,2825 ; v1@3308.02,2641.98 v1(3310,2640) ; R18.1@3308.5,2500 R18.1@3310,2501.5
  Top Layer w20: OPA_MOD1.8@2685,2570 2685,2636.12 2690.86,2641.98 2952.83,2641.98 ; U6.5@2911.18,2797.4 2912.99,2795.59 2938.28,2795.59 2952.83,2781.04 2952.83,2641.98 ; C25.1@3014.88,2825 3094.14,2825 3100,2819.14 C26.2@3100,2791.5 ; C26.2@3098.03,2791.5 3302.65,2791.5 3310,2784.14 v1(3310,2640) R18.1@3310,2501.5 ; v1@3308.02,2641.98 2952.83,2641.98
  Bottom Layer w20: v1(3310,2640) 3684.14,2640 3690,2634.14 OPA_MOD2.8@3690,2575
VCCSreer: C5.1 C6.1 L2.2 P1.2 R3.2 R6.2 | length 934.6
  Top Layer w10: C5.1@2110,3908.5 C5.1@2115,3913.5
  Top Layer w20: R3.2@1910,3661.5 1910,3697.65 1915.86,3703.5 L2.2@2019.76,3703.5
  Top Layer w30: L2.2@2019.76,3703.5 2110,3703.5 ; C5.1@2110,3892.01 2110,3703.5 ; C5.1@2110,3908.5 2110,3883.5 R6.2@2197.01,3883.5 ; C5.1@2115,3913.5 P1.2@2115,4058.5 ; C6.1@2145,3491.61 2145,3697.65 2139.14,3703.5 2110,3703.5
pads on no net: P2.10 P4.7 P4.8 P9.2 P10.2 P10.7 P11.1 P11.2 P12.1 P12.2 P13.1 P13.2 P14.1 P14.2 P15.6 U1.5 U1.6 U1.9 U1.10 U1.12 U1.13 U1.14 U1.15 U1.26 U1.31 U1.32 U1.42 U1.43 U1.45 U1.47 U1.48 U1.51 U1.52 U1.67 U1.68 U1.69 U1.70 U1.71 U1.72 U1.73 U1.109 U1.110 U1.111 U1.112 U1.113 U1.114 U1.115 U1.116 U1.117 U1.118 U1.119 U1.120 U1.121 U1.122 U4.4 U5.4 U6.4
copper on no net: | length 7.2
  Top Layer w10: 3063.5,2220 3063.5,2227.16

## Polygon pours and split planes (outlines as drawn)
GND on Top Layer "NONET_L01_P000" (solid, remove dead copper, shelved, pour order 0): 2495,4559.98 2495,1535.02 595.01,1535.02 595.01,4559.98
GND on Top Layer "NONET_L-01_P-001" (solid, remove dead copper, shelved, pour order 2): 2515.55,4559.98 7389.98,4559.98 7389.98,1535.02 2509.48,1535.02
GND on Bottom Layer "NONET_L02_P007" (solid, remove dead copper, shelved, pour order 7): 595.01,2062.41 cw(c1123.26,2063.27) 595.01,2064.13 cw(c1002.2,2063.47) 595.01,2064.15 595.01,2062.41 ccw(c1123.27,2063.27) 1122.4,1535.02 6856.51,1535.02 ccw(c6851.48,2073.52) 7389.98,2068.5 7389.98,4030.49 ccw(c6860.49,4030.49) 6860.49,4559.98 1122.39,4559.98 ccw(c1122.46,4032.54) 595.01,4032.54 ccw(c1122.46,4032.54) 595.01,4032.46

## Keep-outs
Keep-Out Layer:
  lines w10: 1000.73,2062.55 ccw(c1368.02,2062.55) 1368.02,1695.26 ; 1000.73,2062.65 995.88,4100.3 cw(c1368.22,4102.8) 1365.72,4475.14 6803.44,4475.26 cw(c6803.44,4097.97) 7180.73,4097.97 7180.73,2067.58 cw(c6808.4,2067.58) 6808.4,1695.26 ; 1370.73,1695.26 6810.73,1695.26

## Silkscreen, mask and mechanical layers (free items; w line width, h text height)
Top Overlay:
  text "无线串口" at 6775,4195.22 h60
  text "有刷电机接口1" at 2707.71,4183.6 h60
  text "无刷电机接口1" at 3260,4180.66 h60
  text "陀螺仪接口" at 5870.06,4165.44 h60
  text "屏幕接口" at 5065,4145 h60
  text "-" at 5773.78,4142.46 h60
  text "舵机接口" at 2005.06,4130.66 h60
  text "编码器接口1" at 3885,4130.44 h60
  text "编码器接口3" at 4294.16,4126.71 h60
  text "-" at 4798.78,4127.46 h60
  text "-" at 3928.78,4117.46 h60
  text "-" at 2828.78,4112.46 h60
  text "-" at 3398.78,4102.46 h60
  text "+" at 1405,4005 h60
  text "-" at 1880,4000.01 h60
  text "-" at 1993.78,3947.46 h60
  text "-" at 2828.78,3847.46 h60
  text "-" at 3398.78,3847.46 h60
  text "-" at 3928.78,3837.46 h60
  text "-" at 4233.78,3832.46 h60
  text "-" at 6748.78,3782.46 h60
  text "-" at 7008.78,3777.46 h60
  text "电源开关" at 1164.78,3255 h60 r90
  text "摄像头接口" at 3814.56,2920.06 h60 r90
  text "+" at 1095,2520 h60
  text "电源接口" at 1134.95,2300 h60 r90
  text "编码器接口2" at 3889.16,2236.71 h60
  text "编码器接口3" at 4294.16,2231.71 h60
  text "-" at 1144.99,2220 h60 r90
  text "定位模块" at 4515,2185.44 h60
  text "-" at 4748.78,1987.46 h60
  text "TOF模块" at 5200,1970.44 h60
  text "-" at 3828.78,1967.46 h60
  text "-" at 4233.78,1967.46 h60
  text "-" at 5108.78,1962.46 h60
  text "有刷电机接口2" at 2685,1935 h60
  text "无刷电机接口2" at 3242.65,1933.6 h60
  text "-" at 6238.78,1862.46 h60
  text "-" at 4748.78,1857.46 h60
  text "磁铁感应模块" at 4510.06,1825.44 h60
  text "+" at 1801.52,1811.73 h60
  text "-" at 1465,1810.01 h60
  text "无线SPI" at 6260,1810.22 h60
Top Solder:
  drawing of 712 lines, arcs and shapes, not listed
Bottom Solder:
  drawing of 21 lines, arcs and shapes, not listed
Mechanical 1:
  lines w10: 1000,2062.29 ccw(c1367.29,2062.29) 1367.29,1695 ; 1000,2062.39 995.15,4100.04 cw(c1367.5,4102.54) 1364.99,4474.88 6802.71,4475 cw(c6802.71,4097.71) 7180,4097.71 7180,2067.32 cw(c6807.68,2067.32) 6807.68,1695 ; 1370,1695 6810,1695